# Altium PCB ROBOT_PCB_test.PcbDoc (part 2 of 2)
Units mm, origin at the board's own origin, x right, y up, seen from the top; angles counter-clockwise.
Board outline 200 x 120 mm, 4 copper layers (Top Layer, POWER, GND, Bottom Layer), stack 2.008 mm thick; 282 components, 219 nets, 963 pads, 9 vias.
Unrouted connection lines stored in the file: 507.
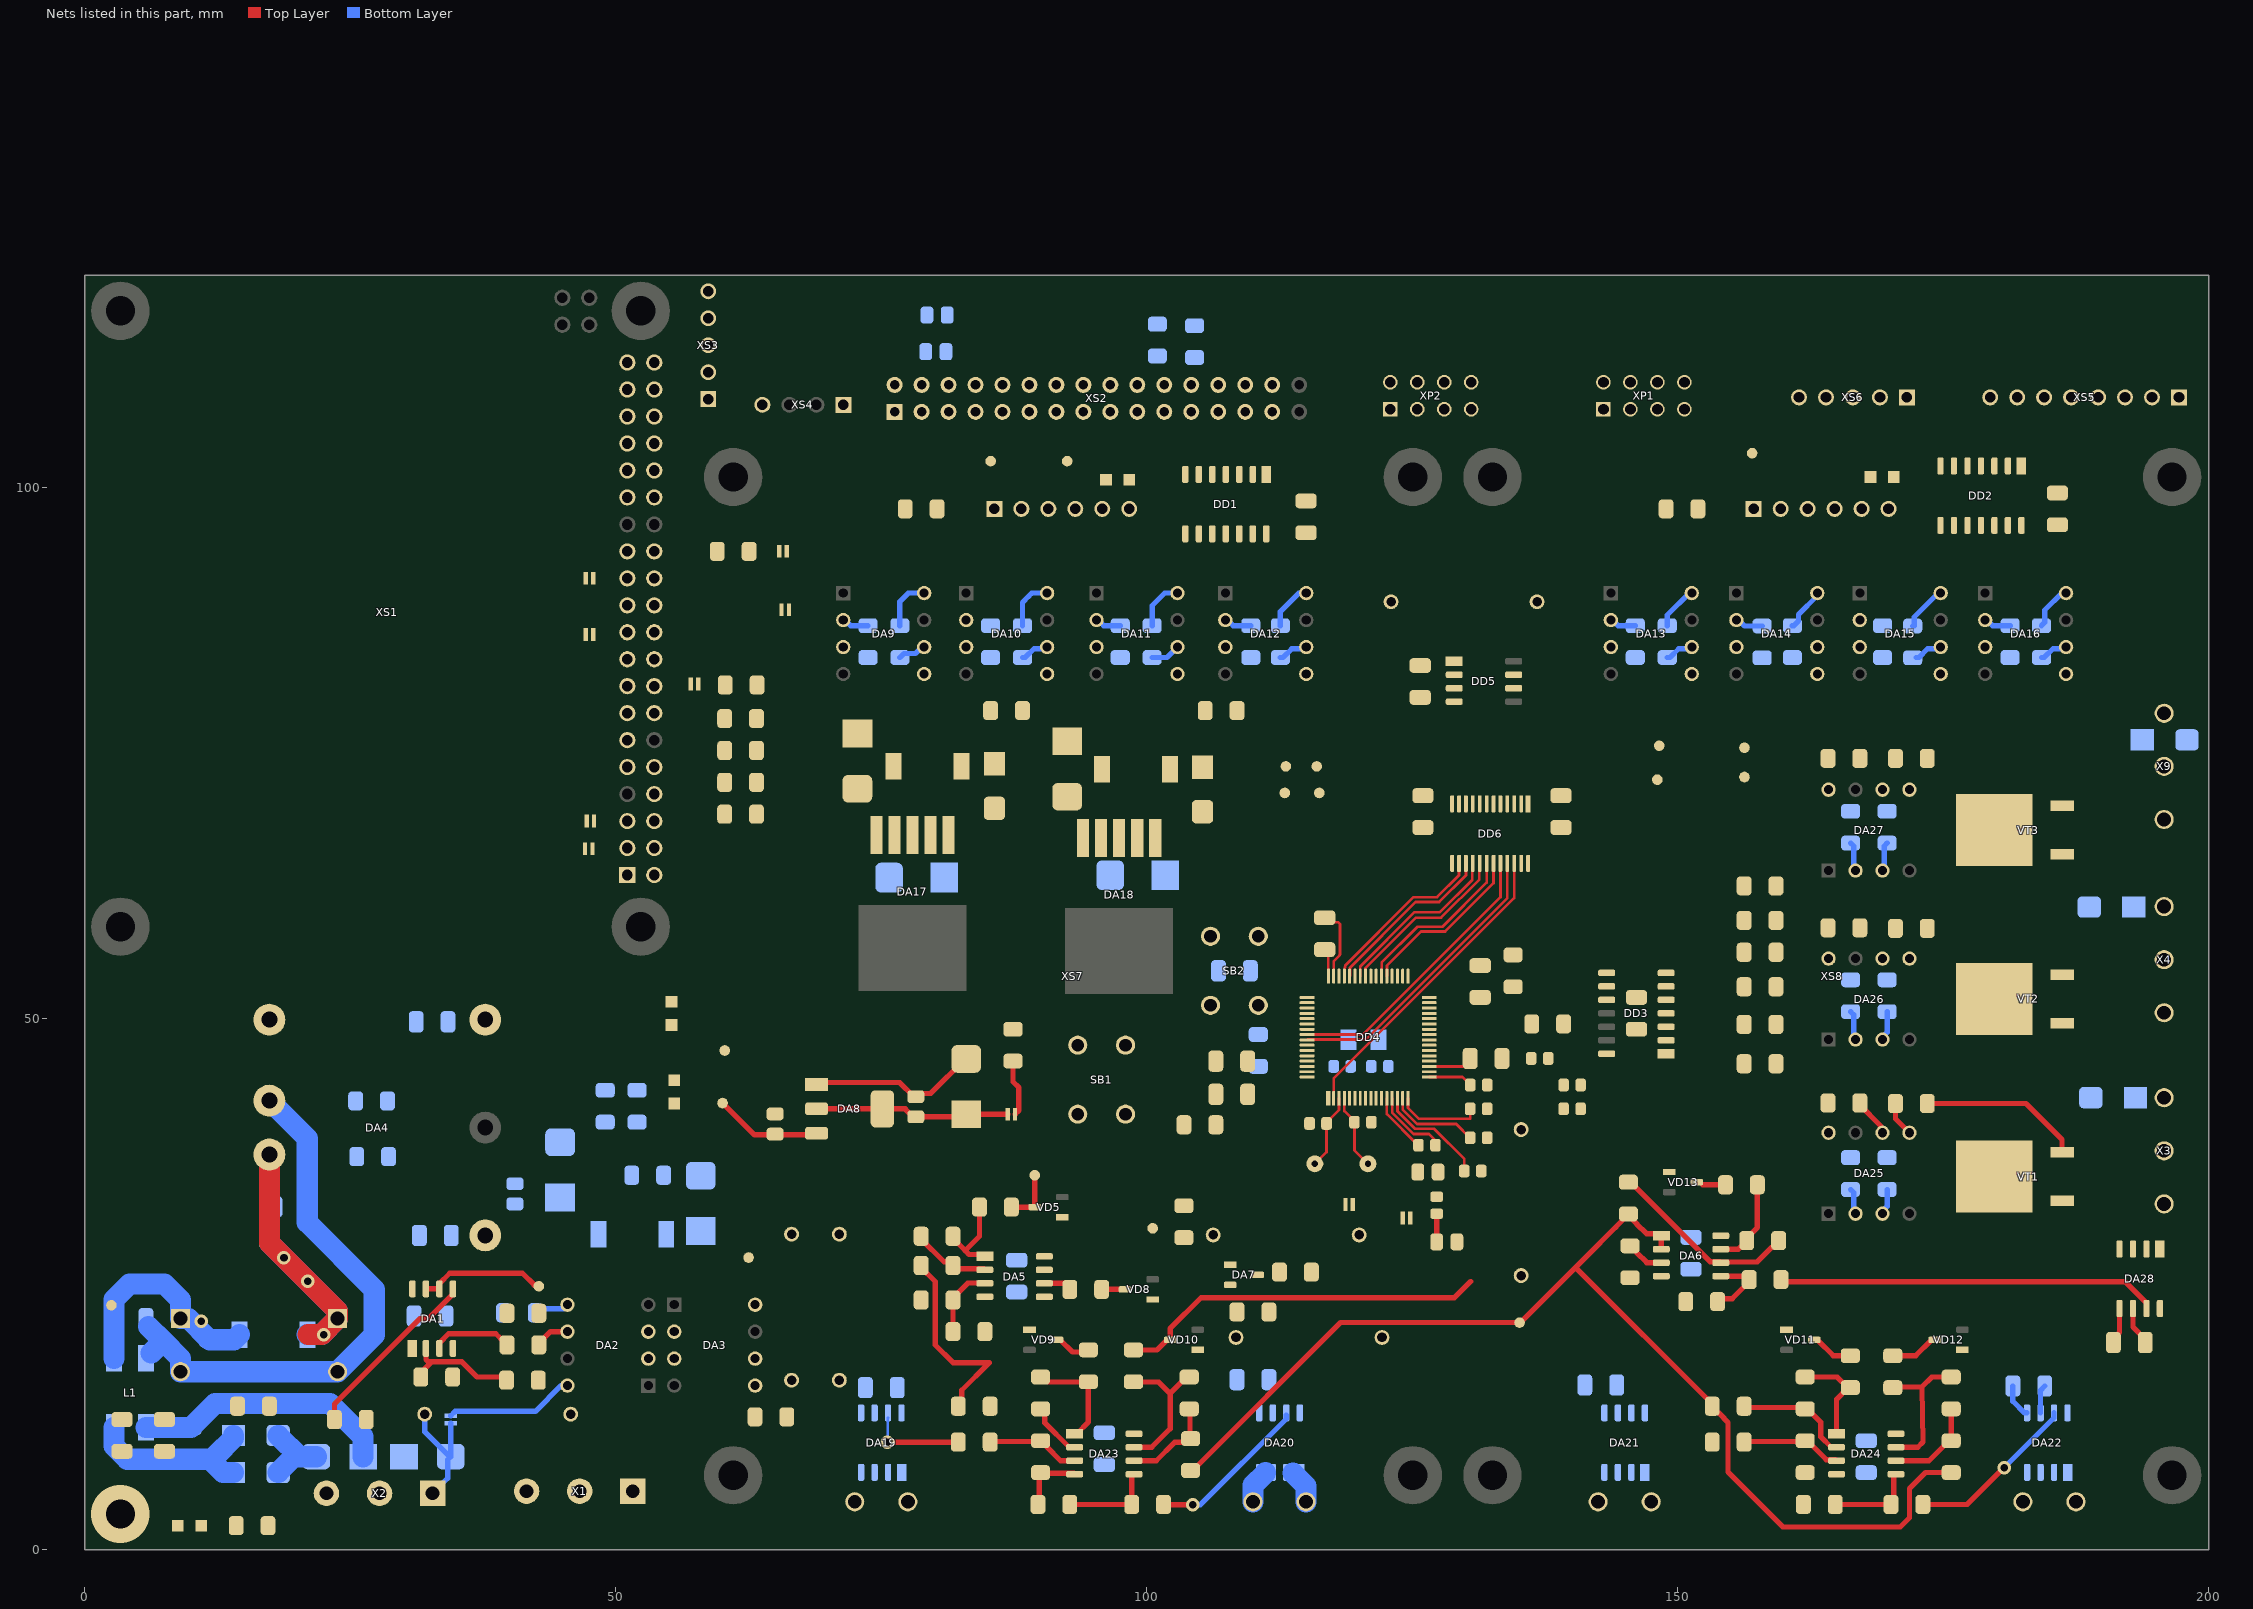
[diagram p4: the nets of this part, all layers, seen from the top]

## Part data
BQ1: library part HC-49S_8MHZ, Manufacturer=Китай, Part Number=8.000MHzHC-49US, Article=297062262, Price=38, Type="Резонатор кварцевый"
BQ2: library part 32768hz, "Кварцевый резонатор", Manufacturer=Китай, Article=9000372611, Part Number=32768hz, Price=98, Type="Резонатор кварцевый"
C1 C3: library part C1206C334K1RECAUTO7210, "Конденсатор 0,33 мкФ 100 В", Manufacturer=Kemet, Voltage="100 В", Article=8005311007, Part Number=C1206C334K1RECAUTO7210, Price=88, Type=Конденсатор
C2 C4 C13 C14: library part TCC1206X7R222J102DT, "Конденсатор 2200 пФ 1000 В", Manufacturer=CCTC, Voltage="1000 В", Article=9001208170, Part Number=TCC1206X7R222J102DT, Price=2, Type=Конденсатор
C5 C8: library part JRB2A101M05001000200000B, "Конденсатор электролитический алюминиевый", Manufacturer="JB Capactiors", Article=9000565887, Part Number=JRB2A101M05001000200000B, Price=24, Type=Конденсатор
C6 C7 C9 C16 C18 C30 C31 C32 C38 C39 C40 C41 C44 C45 C48 C55 C56 C58: library part "0.1 мкФ Х7R 100В 10% 1206", "Конденсатор 0,1 мкФ 100 В", Manufacturer=Китай, Voltage="1 кВ", Part Number="0.1 мкФ Х7R 100В 10% 1206", Price=6, Type=Конденсатор
C10 C11: library part GRM31BR73A102K, "Конденсатор 1000пФ", Manufacturer=Murata, Voltage="1 кВ", Article=961638233, Part Number=GRM31BR73A102K, Price=24, Type=Конденсатор
C12 C19 C21 C25 C26: library part "1 мкФ X7R 16В 10% 0805", "Конденсатор 1 мкФ 16 В", Manufacturer=Китай, Voltage="16 В", Article=768017701, Part Number="1 мкФ X7R 16В 10% 0805", Price=9, Type=Конденсатор
C15 C17 C28 C29: library part TECAP100/10VC, "Конденсатор танталовый 100 мкФ", Manufacturer=TECAP, Part Number="TECAP100/10VC, 10%", Article=9000629231, Price=39, Type=Конденсатор
C20 C27 C37 C49 C50 C51 C52 C54: library part "0.01 мкФ  X7R 50В 10% 0603", "Конденсатор 0,01 мкФ 50 В", Manufacturer=Murata, Voltage="50 В", Article=238964796, Part Number="0.01 мкФ  X7R 50В 10% 0603", Price=7, Type=Конденсатор
C22: library part "TECAP100/10VC, 10%", "Конденсатор танталовый 100 мкФ", Manufacturer=TECAP, Part Number="TECAP100/10VC, 10%", Price=39, Type=Конденсатор
C23 C24: library part TECAP10/35VC, "Конденсатор танталовый 10 мкФ", Manufacturer=TECAP, Part Number="TECAP10/35VC, 10%", Voltage="35 В", Article=9000629228, Price=46, Type=Конденсатор
C33 C34 C35 C36 C57: library part "1000пФ X7R 50В 10% 1206", "Конденсатор 1000пФ 50 В", Manufacturer=Китай, Voltage="50 В", Article=9000028006, Part Number="1000пФ X7R 50В 10% 1206", Price=9, Type=Конденсатор
C42 C43: library part GRM1885C1H220JA01D, "Конденсатор", Dielectric Type=NP0, Manufacturer=Murata, Tolerance=±5%, Voltage=50В, Working Temperature Max=+125°С, Working Temperature Min=-55°С, Application Category=1, ID=122, Part Number=GRM1885C1H220JA01D, Partnumber=GRM1885C1H220JA01D, Type=Конденсатор
C46 C47: library part GRM1885C1H120JA01D, "Конденсатор", Dielectric Type=NP0, Manufacturer=Murata, Tolerance=±5%, Voltage=50В, Working Temperature Max=+125°С, Working Temperature Min=-55°С, Application Category=1, ID=121, Part Number=GRM1885C1H120JA01D, Partnumber=GRM1885C1H120JA01D, Type=Конденсатор
C53: library part C3216X7R1E475KT000N, "Конденсатор 4,7 мкФ 25 В", Manufacturer=TDK, Voltage="25 В", Article=8017208948, Part Number=C3216X7R1E475KT000N, Price=22, Type=Конденсатор
DA1: "Операционный усилитель", Manufacturer=UMW, Package=SOP-8, Article=9001105975, Part Number=LM358ADR, Price=9, Type=Микросхема
DA2 DA3 DA9 DA10 DA11 DA12 DA13 DA14 DA15 DA16 DA25 DA26 DA27: "Оптопара транзисторная", Manufacturer=UMW, Package=dip-8, Article=9001106156, Part Number=6N136, Price=36, Type=Микросхема
DA4: library part "DC-DC URB2405LD-20WR3", "DC/DC преобразователь", Manufacturer=URB2405LD-20WR3, Part Number=Mornsun, Price=900, Type="Модуль питания"
DA5 DA6 DA23 DA24: library part LMV358IDR, Supply Current=210uA, Application Category=1, Bandwidth=1MHz, ID=45, Part Number=LMV358IDR, Rail-to-Rail=+\+, Slew Rate=1V/µs, Supply Operation=+2.7…5.5V, Type=Микросхема
DA7: library part TL431IDBZR.215, "Источник опорного напряжения", Input Voltage=36V, Manufacturer=Nexperia, Output Current=100mA, Reference current=10mA, Reference voltage=2495mV, Tolerance=2.0%, Total Power Dissipation=580mW, Working Temperature Max=+85°С, Working Temperature Min=-40°С, Application Category=1, Article 1C=0984668, Functional Analog=AS431H, ID=1, Part Number=TL431IDBZR.215, Type=Микросхема
DA8: library part AMS1117-3.3, "Стабилизатор напряжения", Manufacturer=UMW, Max Current=0.8A, Package=SOT-223, Article=9001169164, Part Number=AMS1117-3.3, Price=9, Type=Микросхема
DA17 DA18: "Импульсный стабилизатор напряжения", Manufacturer=UMW, Package=TO-263-5, Article=9001169284, Part Number=LM2576S-5.0, Price=84, Type=Микросхема
DA19 DA20 DA21 DA22 DA28: "Датчик тока", Manufacturer="Allegro Systems", Package=SOIC-8, Article=8010447146, Part Number=ACS712ELCTR-05B-T, Price=220
DD1 DD2 DD3: library part SN74HC00D, "SNx4HC00 Quadruple 2-Input NAND Gates", High-level output current=-20mA, Input Voltage (max)=5.9V, Low-level output current=20mA, Manufacturer="Texas Instruments", Output Voltage (max)=Vcc, Power dissipation (max)=-, Supply Current=20uA, Working Temperature Max=+85°C, Working Temperature Min=-40°C, Application Category=1, Article 1C=0988355, Channels=4, Function=NAND, ID=18, Part Number=SN74HC00D, Polarity=Inverting, Response Time=400nS, Supply Operation=+2…6V, Type=Микросхема
DD4: library part STM32F303RBT6, "STM32F303RBT6", Manufacturer=STMicroelectronics, Operating temperature="-40°C to 85°C", Operation frequency=72MHz, Voltage range="1.7 V to 3.6 V", ADC=4, Article=9001089793, Clock management="4 to 32 MHz crystal oscillator", Core=Cortex®-M4, DAC=2, Flash=128KB, I/O Lines=87, Part Number=STM32F303RBT6, Price=410, Timers=13, Type=Микроконтроллер
DD5: "Высокоскоростной CAN-Трансивер, 1Мб/с, 12В/24В, до 112 узлов", Manufacturer=Microchip, Package=SO-8, Part Number=MCP2551T-I/SN, Article=9000071123, Price=160, Type=Микросхема
DD6: "Преобразователь уровней 5В-3,3В", Manufacturer=Nexperia, Package=TSSOP-24, Article=9000002267, Part Number=74LVC4245APW,118, Price=140, Type=Микросхема
E1 E2 E3 E4 E5 E6 E7 E8 E9 E10 E11: library part E, "Перемычка", Type=Перемычка
HL1: Color=Red, Forward Current=30mA, Forward Voltage=2.5V, Manufacturer=Kingbright, Power Dissipation=75mW, Working Temperature Max=+85°С, Working Temperature Min=-40°С, Application Category=1, Article 1C=-, ID=23, Leds=1, Luminous Flux=150, Part Number=KP-2012SURCK, Type="Индикатор единичный"
HL2: Color=Green, Forward Current=25mA, Forward Voltage=2.5V, Manufacturer=Kingbright, Power Dissipation=62.5mW, Working Temperature Max=+85°С, Working Temperature Min=-40°С, Application Category=1, Article 1C=062604, ID=21, Leds=1, Part Number=KP-2012SGC, Type="Индикатор единичный"
HL3 HL4 HL5: Color=Yellow, Forward Current=30mA, Forward Voltage=2.5V, Manufacturer=Kingbright, Power Dissipation=75mW, Working Temperature Max=+85°С, Working Temperature Min=-40°С, Application Category=1, Article 1C=0961238, ID=22, Leds=1, Luminous Flux=150, Part Number=KP-2012SYCK, Type="Индикатор единичный"
K1 K2 K3 K4 K5 K6 K7 K8 K9 K10 K11 K12 K13 K14 K15 K16 K17 K18 K19: library part КТ, "Контрольная точка", Type="Неразборное соединение"
L1: library part ACM7060-701-2PL-TL01, Manufacturer=TDK, Article=9000322175, Part Number=ACM7060-701-2PL-TL01, Price=340, Type=Дроссель
L2 L3 L5 L6: library part B82472G6472M000, "Дроссель", Manufacturer=Epcos, Max Current="2.5 A", Article=9000504715, Part Number=B82472G6472M000, Type=Дроссель
L4: library part BLM18HG102SN1D, "Дроссель", Manufacturer=Murata, Max Current="0,1 А", Package=0603, Article=218909268, Part Number=BLM18HG102SN1D, Type=Дроссель
R1 R11 R12 R20 R22 R57 R59 R68 R80 R81 R82 R83 R84 R85 R87 R88 R89: library part "0.25Вт 1206 100 кОм, 1%", "Резистор", Manufacturer=Тайвань, Package=1206, Article=9000079697, Part Number="0.25Вт 1206 100 кОм, 1%", Price=6, Type=Резистор
R2: library part "С2-29В-0,125-20 кОм ± 0,05 %-1.0-А", "Резистор", Part Number="С2-29В-0,125-20 кОм ± 0,05 %-1.0-А", Type=Резистор
R3 R5 R15 R21: library part RC1206JR-070RL, "Резистор", Limit Voltage=200В, Manufacturer=Yageo, Temperature Coefficient=100ppm, Tolerance=±5%, Total Power Dissipation=0.25W, Working Temperature Max=+155°С, Working Temperature Min=-55°С, Application Category=1, ID=167, Part Number=RC1206JR-070RL, Series Type=Thick-Film, Type=Резистор
R4: library part "0.25Вт 1206 30 кОм, 1%", "Резистор", Manufacturer=Тайвань, Package=1206, Article=9000079684, Part Number="0.25Вт 1206 30 кОм, 1%", Price=6, Type=Резистор
R6 R7 R8 R9 R30 R31 R32 R33 R34 R35 R36 R37 R38 R39 R40 R41 R90 R91 R92 R99 R101 R103: library part "0.25Вт 1206 1 кОм, 1%", "Резистор", Manufacturer=Тайвань, Package=1206, Article=9000079635, Part Number="0.25Вт 1206 1 кОм, 1%", Price=6, Type=Резистор
R10 R24 R56 R76 R77 R78 R79 R86: library part "0.25Вт 1206 2 кОм, 5%", "Резистор", Manufacturer=Тайвань, Package=1206, Article=984099856, Part Number="0.25Вт 1206 2 кОм, 5%", Price=6, Type=Резистор
R13 R14 R95 R96: library part RC1206JR-07150RL, "Резистор", Limit Voltage=200В, Manufacturer=Yageo, Temperature Coefficient=100ppm, Tolerance=±5%, Total Power Dissipation=0.25W, Working Temperature Max=+155°С, Working Temperature Min=-55°С, Application Category=1, ID=182, Part Number=RC1206JR-07150RL, Series Type=Thick-Film, Type=Резистор
R16: library part "С2-29В-0,125-8,25 кОм ± 0,05 %-1.0-А", "Резистор", Part Number="С2-29В-0,125-8,25 кОм ± 0,05 %-1.0-А", Type=Резистор
R17: library part "С2-29В-0,125-9,09 кОм ± 0,05 %-1.0-А", "Резистор", Part Number="С2-29В-0,125-9,09 кОм ± 0,05 %-1.0-А", Type=Резистор
R18 R19 R27 R28 R42 R43 R44 R45 R46 R47 R48 R49 R50 R51 R53 R54 R55 R58 R60 R61 R62 R63 R64 R65 R66 R67 R69 R70 R71 R72 R73 R74 R75 R93 R94 R97 R98 R100 R102 R104: library part "0.25Вт 1206 10 кОм, 1%", "Резистор", Manufacturer=Тайвань, Package=1206, Article=9000079659, Part Number="0.25Вт 1206 10 кОм, 1%", Price=6, Type=Резистор
R23: library part "Р1-12-0,25-200 Ом ± 5 % - М", "Резистор", Limit Voltage=200В, Manufacturer="ОАО \"Ресурс\"", Temperature Coefficient=250ppm, Tolerance=±5%, Total Power Dissipation=0,25W, Working Temperature Max=+85°С, Working Temperature Min=-60°С, Application Category=5, Article 1C=000495, ID=135, Part Number="Р1-12-0,25-200 Ом ± 5 % - М", Specification=ШКАБ.434110.002ТУ, Type=Резистор
R25: library part "С2-29В-0,125-100 кОм ± 0,05 %-1.0-А", "Резистор", Part Number="С2-29В-0,125-100 кОм ± 0,05 %-1.0-А", Type=Резистор
R26: library part "Р1-12-0,25-2,2 кОм ± 5 % - М", "Резистор", Limit Voltage=200В, Manufacturer="ОАО \"Ресурс\"", Temperature Coefficient=250ppm, Tolerance=±5%, Total Power Dissipation=0,25W, Working Temperature Max=+85°С, Working Temperature Min=-60°С, Application Category=5, Article 1C=-, ID=156, Part Number="Р1-12-0,25-2,2 кОм ± 5 % - М", Specification=ШКАБ.434110.002ТУ, Type=Резистор
R29: library part "С2-29В-0,125-715 Ом ± 0,05 %-1.0-А", "Резистор", Part Number="С2-29В-0,125-715 Ом ± 0,05 %-1.0-А", Type=Резистор
R52: library part "С2-29В-0,125-23 кОм ± 0,05 %-1.0-А", "Резистор", Part Number="С2-29В-0,125-23 кОм ± 0,05 %-1.0-А", Type=Резистор
R105: library part "С2-29В-0,125-120 Ом ± 0,05 %-1.0-А_1", "Резистор", Part Number="С2-29В-0,125-120 Ом ± 0,05 %-1.0-А", Type=Резистор
R106 R107: library part "0805 4.7кОм ±5% 0.125Вт", "Резистор", Manufacturer=Тайвань, Package=0805, Article=8026382694, Part Number="0805 4.7кОм ±5% 0.125Вт", Price=3, Type=Резистор
SB1 SB2: library part KLS7-TS6601-7.0-180, Manufacturer=KLS, Article=9000336827, Part Number=KLS7-TS6601-7.0-180, Price=9, Type=Переключатель
VD1 VD4: "Ограничитель напряжения", Manufacturer=Sunmate, Package=DO214AA/SMB, Article=9001052836, Part Number=SM6T36CA, Price=9, Type="Ограничитель напряжения"
VD2 VD3 VD6 VD7 VD14 VD15 VD16: library part B340A, "Диод Шоттки", Current="3 A", Manufacturer=Vishay, Package=SMA, Reverse Voltage="40 V", Article=9001002895, Part Number=B340A, Price=7, Type="Диод Шоттки"
VD5 VD8 VD9 VD10 VD11 VD12 VD13: library part BZX84-C3V3, Capacitance=450pF, Differential resistance=95ohm, Forward Current=200mA, Forward Voltage=0.9V, Manufacturer=NXP, Reverse Current=5uA, Total Power Dissipation=250mW, Working Temperature Max=+150°С, Working Temperature Min=-65°С, Working Voltage=3.3V, Application Category=1, Article 1C=088022, ID=10, Part Number=BZX84-C3V3, Type=Стабилитрон
VT1 VT2 VT3: "N-channel MOSFET", Manufacturer=UMW, Package=DPAK/TO-252, Article=9001169193, Part Number=IRFR024NTR, Price=28, Type=Транзистор
X1 X2 X5 X6 X7 X8: "Соединитель", Current="16 А", Manufacturer=KLS
  X1 X2: Part Number=KLS2-300-5.00-03P-2S, Price=35
  X5 X6 X7 X8: Article=9000329476, Part Number=KLS2-301R-5.00-02P-2S, Price=18
X3 X4 X9: "Соединитель", Current="16 А", Manufacturer=Ningbo, Article=53451, Part Number=XY301RA-5.0-3P-12, Price=41
XP1 XP2: "Вилка", Manufacturer=Connfly, Article=8841479946, Part Number=IDC-08MR, Price=15, Type=Вилка
XS1: "Розетка", Manufacturer=Connfly, Part Number=DS1023-2*20S21, Article=29417, Price=29, Type=Розетка
XS2: "Розетка", Manufacturer=Connfly, Part Number=DS1023-2*15S21, Article=26334, Price=34, Type=Розетка
XS3 XS6: "Розетка", Manufacturer=Connfly, Part Number=DS1023-1*5S21, Article=29527, Price=9, Type=Розетка
XS4: "Розетка", Manufacturer=Connfly, Part Number=DS1023-1*4S21, Article=12854, Price=9, Type=Вилка
XS5: "Розетка", Manufacturer=Connfly, Part Number=DS1023-1*8S21, Article=32562, Price=13, Type=Розетка
XS7 XS8: "Розетка", Manufacturer=Connfly, Part Number=DS1023-1*6S21, Article=63236, Price=13, Type=Розетка

## Via types
v1: diameter 1.27, hole 0.711, Top Layer to Bottom Layer, 8 vias
v2: diameter 5.5, hole 2.7, Top Layer to Bottom Layer, 1 vias

## Nets (pads, with @x,y where several pads share a name; then routed paths per layer and width w, separated by ;. In a path a pad name is that pad's centre, name@x,y a point inside that pad or via, vN(x,y) a via of type N, cw(c..) or ccw(c..) an arc to the next point about the centre after c; other vN are vias at no path point)
0V: C1.2 C6.2 C23.n C24.n C28.n C29.n C31.1 C32.1 DA1.4 DA2.3 DA9.5 DA10.5 DA11.5 DA12.5 DA13.5 DA14.5 DA15.5 DA16.5 DA17.3 DA17.5 DA18.3 DA18.5 DD1.7 DD2.7 HL3.c HL4.c HL5.c K18.1 L1.1 R3.1 R4.2 R11.2 R57.1 R59.1 VD1.2 VD4.2 VD6.A VD7.A X1.2 X2.2 XS7.6 XS8.6 | length 24.6
  Bottom Layer w2: L1.1@5.75,11.5 C1.2@10,11.5 12.25,13.75 23.081,13.75 26.2,10.631 VD1.2@26.2,8.75
0V_LOAD: R100.1 R102.1 R104.1 VT1.3 VT2.3 VT3.3 X3.2 X4.2 X9.2 | length 15.3
  Top Layer w0.5: R100.1@173.5,42 182.8,42 186.19,38.61 VT1.3@186.19,37.41
1V_REF: DA6.3 R52.1 R53.2 | length 3.7
  Top Layer w0.5: R53.2@145.5,28.6 145.619,28.6 146.107,28.111 146.107,27.993 147.085,27.015 DA6.3@148.45,27.015
3V3: C38.2 C39.2 C44.2 C45.2 C48.2 C53.1 C58.2 DD3.14 DD4.1 DD4.19 DD4.32 DD4.48 DD4.64 DD6.2 DD6.23 DD6.24 E10.2 E11.1 R31.1 R51.2 R54.1 R87.2 R88.2 R89.2 R90.2 R91.2 R92.2 R106.1 R107.1 SB1.2 XS2.3 XS2.11 XS2.30 XS3.1 XS6.1 | length 13.4
  Top Layer w0.254: C39.2@116.75,56.5 117.1,56.15 DD4.48@117.1,53.995 ; DD4.19@126.6,45.495 130.425,45.495 130.45,45.52 C45.2@130.45,46.25 C45.2@130.45,46.995
  Top Layer w0.5: R31.1@87.4,46 87.4,44.05 87.95,43.5 87.95,41.35 E11.1@87.6,41
3V3_PI: XS1.1 XS1.17 XS5.1
+V_DIODE1: VD16.C X3.3
+V_DIODE2: VD14.C X4.3
+V_DIODE3: VD15.C X9.3
ADC_EXT_SIGNAL: C37.1 DD4.23 R56.2 VD8.3 | length 2.2
  Top Layer w0.5: R56.2@95.75,24.5 VD8.3@97.95,24.5
ADC_TEST: DD4.21 R50.1 R51.1
AGND: C16.1 C17.n C18.1 C20.2 C21.2 C25.2 C27.2 C33.1 C34.1 C35.1 C36.1 C37.2 C40.1 C41.1 C49.2 C50.2 C51.2 C52.2 C54.2 C57.1 DA5.4 DA6.4 DA7.3 DA19.5 DA20.5 DA21.5 DA22.5 DA23.4 DA24.4 DA28.5 DD4.12 R15.2 R20.1 R21.2 R25.1 R27.1 R53.1 R67.2 R69.2 R70.2 R71.2 R94.2 VD5.1 VD8.1 VD9.1 VD10.1 VD11.1 VD12.1 VD13.1 XS2.13 | length 18.9
  Top Layer w0.254: DD4.12@122.6,42.495 122.6,41.007 125.469,38.138 C27.2@125.638,38.138
  Top Layer w0.5: R70.2@89.75,4.25 89.875,4.375 89.875,7.125 R69.2@90,7.25 90.078,7.172 93.123,7.172 DA23.4@93.2,7.095 ; R27.1@111.5,22.375 R27.1@111.5,22.575 ; C57.1@191.025,19.5 191.025,19.881 191.595,20.451 DA28.5@191.595,22.7
  Bottom Layer w0.5: C36.1@181.56,15.401 181.56,13.965 182.65,12.875 DA22.5@182.895,12.875
BOOT: DD4.60 R55.2 SB1.1
CAN_H: DD5.7 R105.2 XS2.19
CAN_L: DD5.6 R105.1 XS2.20
CAN_RX: DD4.61 DD5.4
CAN_TX: DD4.62 DD5.1
CS1: DD4.33 R8.1
CS2: E8.2 R9.1 XS2.17
CTRL: DA4.1 X1.1
CURRENT_M1: C49.1 DD4.14 R76.2 VD9.3 | length 13.8
  Top Layer w0.254: DD4.14@123.6,42.495 123.613,42.482 123.613,41.278 125.262,39.629 127.054,39.629 129.9,36.783 C49.1@129.9,35.65
  Top Layer w0.5: VD9.3@91.838,19.75 91.85,19.75 93,18.6 R76.2@94.15,18.6 ; R76.2@94.15,18.975 R76.2@94.5,18.625
CURRENT_M2: C50.1 DD4.15 R77.2 VD10.3 | length 43
  Top Layer w0.254: DD4.15@124.1,42.495 124.1,41.433 125.45,40.083 129.142,40.083 C50.1@130.45,38.775
  Top Layer w0.5: R77.2@99.3,18.8 100.95,18.8 101.9,19.75 VD10.3@102.2,19.75 102.2,20.8 105.125,23.725 128.975,23.725 130.5,25.25
CURRENT_M3: C51.1 DD4.16 R78.2 VD11.3 | length 12.1
  Top Layer w0.254: DD4.16@124.6,42.495 124.6,41.575 125.6,40.575 130.45,40.575 C51.1@130.45,41.5
  Top Layer w0.5: VD11.3@162.85,19.75 163.15,19.75 164.65,18.25 R78.2@166.25,18.25
CURRENT_M4: C52.1 DD4.17 R79.2 VD12.3 | length 8.7
  Top Layer w0.254: DD4.17@126.6,44.495 129.738,44.495 130.45,43.783 C52.1@130.45,43.75
  Top Layer w0.5: R79.2@170.25,18.25 172.4,18.25 173.9,19.75 VD12.3@174.2,19.75
CURRENT_MOWER: C54.1 DD4.20 R86.2 VD13.3 | length 2.8
  Top Layer w0.5: VD13.3@151.8,34.6 152.1,34.6 152.35,34.35 R86.2@154.5,34.35
DIR1: DD1.8 XS7.2
DIR2: DD1.11 XS7.4
DIR3: DD2.8 XS8.2
DIR4: DD2.11 XS8.4
DRDY: XS1.36 XS6.5
EXT_TO_ADC: DA5.5 XS2.12
GND: C11.2 C12.2 C14.1 C15.n C19.2 C22.n C26.2 C30.1 C38.1 C39.1 C42.2 C43.2 C44.1 C45.1 C46.2 C47.2 C48.1 C53.2 C55.2 C56.2 C58.1 DA4.6 DA8.1 DA9.3 DA10.3 DA11.3 DA12.3 DA13.3 DA14.3 DA15.3 DA16.3 DD3.7 DD4.31 DD4.47 DD4.63 DD5.2 DD6.11 DD6.12 DD6.13 HL1.c HL2.c K5.1 R21.1 R50.2 R55.1 R68.1 R80.2 R81.2 R82.2 R83.2 R84.2 R85.2 SB2.1 XP1.2 XP1.6 XP2.2 XP2.6 XS1.6 XS1.9 XS1.14 XS1.20 XS1.25 XS1.30 XS1.34 XS1.39 XS2.2 XS2.4 XS2.18 XS3.2 XS4.4 XS5.2 XS6.2 | length 23
  Top Layer w0.254: C39.1@116.75,59.5 117.185,59.065 118.033,59.065 118.197,58.901 118.197,56.039 118.146,55.988 118.146,55.939 117.6,55.393 DD4.47@117.6,53.995
  Top Layer w0.5: DA8.1@68.9,43.8 69.075,43.975 76.725,43.975 78.05,42.65 C26.2@78.25,42.65 78.55,42.95 79.65,42.95 82.9,46.2 C22.n@83,46.2
HALL_A1: DD4.41 DD6.17 | length 16.4
  Top Layer w0.254: DD4.41@120.6,53.995 120.6,54.756 125.344,59.5 127.717,59.5 131.317,63.1 131.317,64.562 DD6.17@131.302,64.577
HALL_A2: DD4.44 DD6.15 | length 17.1
  Top Layer w0.254: DD4.44@119.1,53.995 119.133,54.028 119.133,54.789 125.319,60.975 127.527,60.975 130.05,63.498 DD6.15@130.05,64.625 DD6.15@130.05,65.25
HALL_A3: DD4.37 DD6.19 | length 16.1
  Top Layer w0.254: DD4.37@122.6,53.995 122.613,54.008 122.613,54.987 125.822,58.196 128.096,58.196 132.65,62.75 DD6.19@132.65,64.625
HALL_A4: DD4.56 DD6.20 | length 26.8
  Top Layer w0.254: DD4.56@115.087,48.508 DD4.56@115.1,48.495 120.361,48.495 133.3,61.434 DD6.20@133.3,64.625
HALL_A_M1: DD6.7 XP1.3
HALL_A_M2: DD6.9 XP1.7
HALL_A_M3: DD6.5 XP2.3
HALL_A_M4: DD6.4 XP2.7
HALL_B1: DD4.42 DD6.16 | length 16.3
  Top Layer w0.254: DD4.42@120.1,53.995 120.1,54.898 125.227,60.025 127.6,60.025 130.652,63.077 DD6.16@130.652,64.577
HALL_B2: DD4.45 DD6.14 | length 17
  Top Layer w0.254: DD4.45@118.6,53.995 118.613,54.008 118.633,54.008 118.633,54.789 118.679,54.835 118.679,54.977 125.135,61.434 127.336,61.434 129.4,63.498 DD6.14@129.4,64.625 DD6.14@129.4,65.25
HALL_B3: DD4.38 DD6.18 | length 16.1
  Top Layer w0.254: DD4.38@122.1,53.995 122.113,54.008 122.113,55.263 125.5,58.65 127.825,58.65 132,62.825 DD6.18@132,64.625
HALL_B4: DD4.57 DD6.21 | length 27.7
  Top Layer w0.254: DD4.57@115.1,47.995 115.133,48.028 120.628,48.028 133.95,61.35 DD6.21@133.95,64.625
HALL_B_M1: DD6.8 XP1.4
HALL_B_M2: DD6.10 XP1.8
HALL_B_M3: DD6.6 XP2.4
HALL_B_M4: DD6.3 XP2.8
I2C_SCL: DD4.58 E4.2 R106.2 XS2.6 XS6.3
I2C_SDA: DD4.59 E3.2 R107.2 XS2.5 XS6.4
INT1: XS1.29 XS5.7
INT2: XS1.31 XS5.8
M1_N: DA19.3 DA19.4 X5.1
M1_P: DA19.1 DA19.2 X5.2
M2_N: DA20.3 DA20.4 X6.1 | length 3.2
  Bottom Layer w2: X6.1@110,4.5 110,6.05 111.175,7.225
M2_P: DA20.1 DA20.2 X6.2 | length 3.2
  Bottom Layer w2: 113.775,7.2 115,5.975 X6.2@115,4.5
M3_N: DA21.3 DA21.4 X7.1
M3_P: DA21.1 DA21.2 X7.2
M4_N: DA22.3 DA22.4 X8.1
M4_P: DA22.1 DA22.2 X8.2
MCU_DIR1: DD4.8 K12.1 R36.1
MCU_DIR2: DD4.9 K13.1 R37.2
MCU_DIR3: DD4.10 K14.1 R40.1
MCU_DIR4: DD4.11 K15.1 R41.2
MCU_PWM1: DD4.50 K8.1 R34.1
MCU_PWM2: DD4.55 K9.1 R35.1
MCU_PWM3: DD4.29 K10.1 R38.1
MCU_PWM4: DD4.30 K11.1 R39.1
MOWER1_M: DA28.1 DA28.2 VD16.A X3.1
MOWER2_M: VD14.A VT2.2 X4.1
MOWER3_M: VD15.A VT3.2 X9.1
NetBQ1_1: BQ1.1 C43.1 DD4.4 | length 7.1
  Top Layer w0.254: DD4.4@118.6,42.495 118.6,41.3 119.55,40.35 C43.1@119.55,40.25 119.55,37.6 BQ1.1@120.825,36.325
NetBQ1_3: BQ1.3 C42.1 DD4.3 | length 7.1
  Top Layer w0.254: BQ1.3@115.825,36.325 116.925,37.425 C42.1@116.925,40.127 116.925,40.227 118.1,41.402 DD4.3@118.1,42.495
NetBQ2_1: BQ2.1 C47.1 DD4.6
NetBQ2_2: BQ2.2 C46.1 DD4.5
NetC2_1: C2.1 C3.1 C5.p C7.1 L1.3 L2.1 | length 21.4
  Bottom Layer w2: L1.3@2.75,18 C3.1@2.75,21.75 2.75,23.55 4.2,25 7.5,25 9,23.5 C5.p@9,21.75 9.75,21.75 C7.1@11.75,19.75 14.05,19.75 L2.1@14.55,20.25
  other v1: 10.95,21.5
NetC3_2: C3.2 C4.1 C5.n C7.2 C8.n C9.2 C11.1 DA4.2 L1.4 | length 52.9
  Bottom Layer w2: C3.2@6,21 7.375,19.625 ; L1.4@6.25,18.5 7.375,19.625 ; DA4.2@17.38,42.28 20.95,38.71 20.95,33.5 20.95,30.8 27.25,24.5 27.25,20.2 C8.n@23.8,16.75 C7.2@11.75,16.75 C5.n@9,16.75 9,18 7.375,19.625
NetC8_p: C8.p C9.1 C10.1 DA4.3 L2.2 | length 43.1
  Top Layer w2: DA4.3@17.38,37.2 17.38,28.87 v1(21,25.25) 23.8,22.45 C8.p@23.8,21.75 22.3,20.25 21,20.25
  Bottom Layer w2: DA4.3@17.38,37.2 17.38,33.5 17.38,28.87 v1(18.75,27.5) v1(21,25.25) 23.8,22.45 C8.p@23.8,21.75 22.3,20.25 L2.2@20.95,20.25
  other v1: 22.5,20.25
NetC21_1: C21.1 E9.2 E10.1 L4.1 | length 2.7
  Top Layer w0.5: C21.1@127.3,28.975 L4.1@127.3,31.625
NetC22_p: C22.p C26.1 DA8.2 E11.2 | length 18.4
  Top Layer w0.5: DA8.2@68.9,41.5 DA8.2@75.1,41.5 77.246,41.5 77.996,40.75 C26.1@78.25,40.75 82.75,40.75 C22.p@83,41 E11.2@86.9,41
NetC33_2: C33.2 DA19.6
NetC34_2: C34.2 DA20.6
NetC35_2: C35.2 DA21.6
NetC36_2: C36.2 DA22.6 | length 2.7
  Bottom Layer w0.5: DA22.6@184.165,12.875 184.153,12.887 184.153,14.993 C36.2@184.56,15.401
NetC57_2: C57.2 DA28.6 | length 3.7
  Top Layer w0.5: DA28.6@192.865,22.7 192.865,20.96 194.025,19.8 C57.2@194.025,19.5
NetDA1_1: DA1.1 R10.1
NetDA1_2: DA1.2 R1.1 R4.1 | length 11.3
  Top Layer w0.5: R4.1@31.635,16.25 31.635,16.66 32.65,17.675 ; DA1.2@32.115,18.95 32.115,17.915 32.355,17.675 32.503,17.675 32.65,17.675 ; R1.1@39.75,16.5 39.5,16.25 36.936,16.25 35.511,17.675 32.65,17.675
NetDA1_3: DA1.3 R2.2 R5.1 | length 7.7
  Top Layer w0.5: DA1.3@33.385,18.95 33.385,19.45 34.26,20.325 38.695,20.325 39.162,19.858 39.308,19.858 39.75,19.416 R5.1@39.75,19.27
NetDA1_5: DA1.5 R11.1 R12.2 | length 17.4
  Top Layer w0.5: R11.1@23.5,12.25 23.5,13.7 31.55,21.75 32.355,21.75 34.655,24.05 DA1.5@34.655,24.55
NetDA1_6: DA1.6 DA1.7 K1.1 | length 12
  Top Layer w0.5: DA1.7@32.115,24.55 DA1.6@33.385,24.55 33.385,25.05 34.36,26.025 41.2,26.025 42.329,24.896 42.654,24.896 K1.1@42.75,24.8
NetDA2_2: DA2.2 DA3.3
NetDA2_5: DA2.5 R3.2 | length 3.3
  Bottom Layer w0.5: R3.2@42.425,22.45 42.65,22.675 45.055,22.675 DA2.5@45.44,23.06
NetDA2_6: DA2.6 R5.2 | length 3.3
  Top Layer w0.5: R5.2@42.75,19.27 42.75,19.416 43.854,20.52 DA2.6@45.44,20.52
NetDA2_8: DA2.8 E1.1 | length 12.2
  Bottom Layer w0.5: E1.1@34.45,12.6 34.868,13.018 42.418,13.018 44.84,15.44 DA2.8@45.44,15.44
NetDA3_2: DA3.2 R10.2
NetDA3_5: DA3.5 R15.1
NetDA3_6: DA3.6 R16.1 R17.1 R18.1
NetDA5_1: DA5.1 R22.1 R24.1 | length 8.6
  Top Layer w0.5: R22.1@81.75,29.5 81.75,29.3 82.9,28.15 ; R24.1@84.25,32.25 84.25,29.5 82.9,28.15 ; DA5.1@84.75,27.61 84.579,27.781 83.269,27.781 82.9,28.15
NetDA5_2: DA5.2 R19.2 R22.2 | length 7.5
  Top Layer w0.5: R22.2@78.75,29.5 78.75,29.25 80.9,27.1 81.4,27.1 R19.2@81.75,26.75 82.06,26.44 84.65,26.44 DA5.2@84.75,26.34
NetDA5_3: DA5.3 R18.2 R20.2 | length 6.8
  Top Layer w0.5: R20.2@81.75,20.52 R18.2@81.75,23.5 81.75,23.7 83.15,25.1 84.72,25.1 DA5.3@84.75,25.07
NetDA5_6: DA5.6 DA5.7 R56.1 | length 2.7
  Top Layer w0.5: DA5.6@90.35,25.07 92.261,25.07 92.75,24.581 R56.1@92.75,24.5
NetDA6_5: DA6.5 R94.1 R98.2 | length 6.1
  Top Layer w0.5: R94.1@153.75,23.35 154.031,23.631 155.131,23.631 R98.2@156.3,24.8 ; DA6.5@154.05,25.745 156.725,25.745 R98.2@156.725,25.425
NetDA6_6: DA6.6 R93.1 R97.2 | length 18.2
  Top Layer w0.5: R97.2@145.35,34.6 145.55,34.6 153.035,27.115 153.95,27.115 DA6.6@154.05,27.015 ; DA6.6@154.05,27.075 157.475,27.075 158.893,28.493 159.011,28.493 159.5,28.981 R93.1@159.5,29.1
NetDA6_7: DA6.7 R86.1 R93.2 | length 8.5
  Top Layer w0.5: DA6.7@154.05,28.285 155.685,28.285 155.893,28.493 156.011,28.493 156.5,28.981 R93.2@156.5,29.1 156.5,29.344 157.5,30.344 R86.1@157.5,34.35
NetDA7_1: DA7.1 E9.1 K4.1 R23.2 R29.2 | length 1
  Top Layer w0.5: R29.2@106,29.375 R29.2@106.25,29.625 ; DA7.1@107.55,26.825 DA7.1@107.85,26.825 DA7.1@108.15,26.825
NetDA7_2: DA7.2 R25.2 R26.1 R27.2 | length 0.3
  Top Layer w0.5: R27.2@108.5,22.375 R27.2@108.5,22.656
NetDA9_2: DA9.2 R34.2 | length 2.6
  Bottom Layer w0.5: DA9.2@71.415,87.53 71.571,87.53 72.101,87 R34.2@73.75,87
NetDA9_6: DA9.6 DD1.1 DD1.2 R42.1 | length 2.7
  Bottom Layer w0.5: R42.1@76.75,84 77.138,84.388 78.204,84.388 78.805,84.99 DA9.6@79.035,84.99
NetDA10_2: DA10.2 R35.2
NetDA10_6: DA10.6 DD1.4 DD1.5 R43.1 | length 2.7
  Bottom Layer w0.5: R43.1@88.295,84 88.549,84 89.377,84.827 90.453,84.827 DA10.6@90.615,84.99
NetDA11_2: DA11.2 R36.2 | length 2.5
  Bottom Layer w0.5: DA11.2@95.265,87.53 95.421,87.53 95.951,87 R36.2@97.5,87
NetDA11_6: DA11.6 DD1.9 DD1.10 R44.1 | length 2.8
  Bottom Layer w0.5: R44.1@100.5,84 101.895,84 DA11.6@102.885,84.99
NetDA12_2: DA12.2 R37.1 | length 2.6
  Bottom Layer w0.5: DA12.2@107.395,87.53 107.615,87.53 108.145,87 R37.1@109.795,87
NetDA12_6: DA12.6 DD1.12 DD1.13 R45.1 | length 2.9
  Bottom Layer w0.5: R45.1@112.575,84 112.829,84 113.656,84.827 114.853,84.827 DA12.6@115.015,84.99
NetDA13_2: DA13.2 R38.2 | length 2.5
  Bottom Layer w0.5: DA13.2@143.7,87.53 143.856,87.53 144.386,87 R38.2@146,87
NetDA13_6: DA13.6 DD2.1 DD2.2 R46.1 | length 2.7
  Bottom Layer w0.5: R46.1@149.01,84 149.264,84 150.091,84.827 151.157,84.827 DA13.6@151.32,84.99
NetDA14_2: DA14.2 R39.2 | length 2.7
  Bottom Layer w0.5: DA14.2@155.52,87.53 155.745,87.53 156.3,86.975 R39.2@157.95,86.975
NetDA14_6: DA14.6 DD2.4 DD2.5 R47.1
NetDA15_2: DA15.2 R40.2
NetDA15_6: DA15.6 DD2.9 DD2.10 R48.1 | length 2.7
  Bottom Layer w0.5: R48.1@172.45,84 172.704,84 173.531,84.827 174.597,84.827 DA15.6@174.76,84.99
NetDA16_2: DA16.2 R41.1 | length 2.6
  Bottom Layer w0.5: DA16.2@178.95,87.53 179.12,87.53 179.65,87 R41.1@181.3,87
NetDA16_6: DA16.6 DD2.12 DD2.13 R49.1 | length 2.7
  Bottom Layer w0.5: R49.1@184.25,84 184.504,84 185.332,84.827 186.407,84.827 DA16.6@186.57,84.99
NetDA17_2: DA17.2 L5.1 VD6.C
NetDA18_2: DA18.2 L6.1 VD7.C
NetDA19_7: DA19.7 R61.1 | length 9
  Top Layer w0.5: v1(75.575,10.115) R61.1@82.25,10.115
  Bottom Layer w0.254: v1(75.575,10.115) 75.605,10.145 75.605,12.37 DA19.7@75.635,12.4
NetDA20_7: DA20.7 R63.1 | length 15.3
  Top Layer w0.5: R63.1@101.58,4.25 101.605,4.225 104.3,4.225 v1(104.325,4.2)
  Bottom Layer w0.5: v1(104.325,4.2) 105.025,4.2 113.129,12.304 DA20.7@113.129,12.679
NetDA21_7: DA21.7 R65.1
NetDA22_7: DA22.7 R58.1 | length 16.2
  Top Layer w0.5: R58.1@173.08,4.25 177.25,4.25 v1@180.735,7.735
  Bottom Layer w0.5: v1(180.745,7.725) 185.435,12.415 DA22.7@185.435,12.875
NetDA23_1: DA23.1 R72.2 R76.1 | length 10.2
  Top Layer w0.5: R72.2@90,16.25 90.244,16.25 90.719,15.775 94.5,15.775 94.5,12.005 93.4,10.905 DA23.1@93.2,10.905
NetDA23_2: DA23.2 R60.2 R72.1 | length 5.6
  Top Layer w0.254: R60.2@85.25,13.5 R60.2@85.5,13.25
  Top Layer w0.5: R72.1@90,13.25 90.385,12.865 90.385,11.95 92.7,9.635 DA23.2@93.2,9.635
NetDA23_3: DA23.3 R61.2 R69.1 | length 8.9
  Top Layer w0.5: R61.2@85.25,10.115 85.318,10.182 89.933,10.182 R69.1@90,10.25 90.119,10.25 90.607,9.761 90.607,9.643 91.885,8.365 DA23.3@93.2,8.365
NetDA23_5: DA23.5 R63.2 R70.1 | length 8.8
  Top Layer w0.5: R70.1@92.75,4.25 R63.2@98.58,4.25 98.58,6.995 98.68,7.095 DA23.5@98.8,7.095
NetDA23_6: DA23.6 R62.2 R73.1 | length 9
  Top Layer w0.254: R62.2@104.062,10.512 R62.2@104.125,10.45
  Top Layer w0.5: DA23.6@98.8,8.365 100.89,8.365 102.625,10.1 103.775,10.1 R62.2@104.125,10.45 ; R73.1@104,13.25 104.062,13.187 R62.2@104.062,10.512
NetDA23_7: DA23.7 R73.2 R77.1 | length 13.8
  Top Layer w0.254: R77.1@98.75,15.8 R77.1@98.829,15.8
  Top Layer w0.5: DA23.7@98.8,9.635 100.46,9.635 102.2,11.375 102.2,14.694 ; R77.1@98.829,15.8 99.379,15.8 99.354,15.775 101.119,15.775 102.2,14.694 ; R73.2@104,16.25 103.756,16.25 102.2,14.694
NetDA24_1: DA24.1 R74.2 R78.1 | length 9.5
  Top Layer w0.5: R74.2@162,16.25 165.006,16.25 166.006,15.25 R78.1@166.05,15.25 ; DA24.1@164.95,10.905 164.95,14.15 R78.1@166.05,15.25 ; R78.1@166.25,15.25 R78.1@166.05,15.25
NetDA24_2: DA24.2 R64.2 R74.1 | length 11.1
  Top Layer w0.5: R64.2@156.25,13.5 156.375,13.375 161.875,13.375 R74.1@162,13.25 162.2,13.25 163.475,11.975 163.475,10.61 164.45,9.635 DA24.2@164.95,9.635
NetDA24_3: DA24.3 R65.2 R71.1 | length 9.5
  Top Layer w0.5: R65.2@156.25,10.115 156.318,10.183 161.932,10.183 R71.1@162,10.25 162.2,10.25 163.985,8.465 164.85,8.465 DA24.3@164.95,8.365
NetDA24_5: DA24.5 R58.2 R67.1 | length 8.6
  Top Layer w0.5: R67.1@164.83,4.25 R58.2@170.08,4.25 170.325,4.495 170.325,6.95 170.18,7.095 DA24.5@170.55,7.095
NetDA24_6: DA24.6 R66.2 R75.1 | length 9
  Top Layer w0.5: DA24.6@170.55,8.365 173.665,8.365 175.55,10.25 R66.2@175.75,10.25 R75.1@175.75,13.25
NetDA24_7: DA24.7 R75.2 R79.1 | length 14.9
  Top Layer w0.5: R79.1@170.25,15.25 R79.1@170.369,15.25 ; DA24.7@170.55,9.635 172.6,9.635 173.095,10.13 172.995,15.3 172.98,15.3 ; R75.2@175.75,16.25 173.93,16.25 172.98,15.3 ; R79.1@170.369,15.25 170.794,14.825 170.814,15.221 R79.1@170.819,15.3 ; R79.1@170.369,15.25 170.494,15.25 R79.1@170.819,15.3 ; R79.1@170.819,15.3 172.98,15.3
NetDA25_2: DA25.2 R90.1 | length 2.5
  Bottom Layer w0.5: R90.1@166.28,33.91 166.577,33.613 166.577,31.793 DA25.2@166.74,31.63
NetDA25_3: DA25.3 DD3.3 R88.1 | length 2.5
  Bottom Layer w0.5: DA25.3@169.28,31.63 169.28,31.86 169.72,32.3 R88.1@169.72,33.91
NetDA25_5: DA25.5 R100.2 VT1.1 | length 3.3
  Top Layer w0.5: R100.2@170.5,42 170.5,40.57 DA25.5@171.82,39.25
NetDA25_6: DA25.6 R99.1 | length 3.7
  Top Layer w0.5: R99.1@167.15,42.05 167.15,41.85 169.117,39.883 169.117,39.413 DA25.6@169.28,39.25
NetDA26_2: DA26.2 R91.1 | length 2.8
  Bottom Layer w0.5: R91.1@166.28,50.65 166.577,50.353 166.577,48.193 DA26.2@166.74,48.03
NetDA26_3: DA26.3 DD3.6 R89.1 | length 2.8
  Bottom Layer w0.5: DA26.3@169.28,48.03 169.28,48.26 169.72,48.7 R89.1@169.72,50.65
NetDA26_5: DA26.5 R102.2 VT2.1
NetDA26_6: DA26.6 R101.1
NetDA27_2: DA27.2 R92.1 | length 2.8
  Bottom Layer w0.5: R92.1@166.28,66.53 166.577,66.233 166.577,64.103 DA27.2@166.74,63.94
NetDA27_3: DA27.3 DD3.8 R87.1 | length 2.8
  Bottom Layer w0.5: DA27.3@169.28,63.94 169.443,64.103 169.443,66.253 R87.1@169.72,66.53
NetDA27_5: DA27.5 R104.2 VT3.1
NetDA27_6: DA27.6 R103.1
NetDA28_3: DA28.3 DA28.4 VT1.2
NetDA28_7: DA28.7 R98.1 | length 35.8
  Top Layer w0.5: R98.1@159.725,25.425 159.925,25.225 192.11,25.225 194.135,23.2 DA28.7@194.135,22.7
NetE2_1: E2.1 XS1.24
NetE2_2: E2.2 R8.2
NetE3_1: E3.1 XS1.3
NetE4_1: E4.1 XS1.5
NetE5_1: E5.1 XS5.3
NetE6_1: E6.1 XS5.4
NetE7_1: E7.1 XS5.5
NetE8_1: E8.1 XS5.6
NetHL1_a: HL1.a R30.2
NetHL2_a: HL2.a R31.2
NetHL3_a: HL3.a R32.2
NetHL4_a: HL4.a R33.2
NetHL5_a: HL5.a R28.2
NetR6_2: R6.2 XS1.11
NetR7_2: R7.2 XS1.13
NetR9_2: R9.2 XS1.26
NetR13_1: R13.1 XS2.21
NetR14_1: R14.1 XS2.22
NetR26_2: R26.2 R29.1 | length 0.3
  Top Layer w0.5: R29.1@119.819,29.444 R29.1@120,29.625
O\E\: DD4.2 DD6.22 | length 29.2
  Top Layer w0.254: DD4.2@117.6,42.495 117.6,44.358 134.6,61.358 DD6.22@134.6,64.625
P1V: DA6.1 DA6.2 K3.1 R19.1 R60.1 R62.1 R64.1 R66.1 R97.1 | length 132.9
  Top Layer w0.5: R19.1@78.75,26.75 78.75,26.55 80.075,25.225 80.075,19.625 80.066,19.616 80.066,19.284 81.75,17.6 85.175,17.6 ; R60.1@82.25,13.3 R60.1@82.25,13.5 82.575,13.825 82.575,15 85.1,17.525 ; R62.1@104.125,7.45 104.325,7.45 118.25,21.375 K3.1@135.1,21.375 135.175,21.375 140.375,26.575 ; 144.15,30.35 140.375,26.575 ; DA6.2@148.45,28.285 DA6.1@148.45,29.555 148.255,29.75 147.05,29.75 146.125,30.675 146.125,30.694 145.469,31.35 145.15,31.35 140.375,26.575 ; R66.1@175.75,7.25 173.325,7.25 171.825,5.75 171.825,3 170.95,2.125 159.9,2.125 154.725,7.3 154.725,11.95 154.348,12.327 154.348,12.402 R64.1@153.25,13.5 153.25,13.7 140.375,26.575
P5V: C10.2 C12.1 C13.1 C15.p C19.1 C55.1 C56.1 DA4.4 DA8.3 DD5.3 DD6.1 K6.1 L3.1 R30.1 R68.2 XP1.1 XP1.5 XP2.1 XP2.5 XS1.2 XS1.4 XS2.1 XS4.1 | length 10.2
  Top Layer w0.5: K6.1@60.05,42.05 63.05,39.05 68.75,39.05 DA8.3@68.9,39.2
P5V_A: C16.2 C17.p C18.2 C40.2 C41.2 DA3.8 DA5.8 DA6.8 DA19.8 DA20.8 DA21.8 DA22.8 DA23.8 DA24.8 DA28.8 K7.1 L3.2 R16.2 R17.2 R23.1
P5V_EXT_1: C28.p C31.2 DA9.8 DA10.8 DA11.8 DA12.8 DA17.4 DD1.14 K16.1 L5.2 R32.1 R42.2 R43.2 R44.2 R45.2 R57.2 XS7.1 | length 19
  Bottom Layer w0.5: R42.2@76.75,87 76.75,89.275 77.545,90.07 DA9.8@79.035,90.07 ; R43.2@88.295,87 88.295,89.19 88.875,89.77 89.175,90.07 DA10.8@90.615,90.07 ; R44.2@100.5,87 100.5,88.875 101.695,90.07 DA11.8@102.885,90.07 ; R45.2@112.575,87 112.575,88.325 114.32,90.07 DA12.8@115.015,90.07
P5V_EXT_2: C29.p C32.2 DA13.8 DA14.8 DA15.8 DA16.8 DA18.4 DD2.14 K17.1 L6.2 R33.1 R46.2 R47.2 R48.2 R49.2 R59.2 XS8.1 | length 17
  Bottom Layer w0.5: R46.2@149.01,87 149.01,87.99 151.09,90.07 DA13.8@151.32,90.07 ; R47.2@160.79,87 160.936,87 161.378,87.442 161.378,88.053 163.14,89.815 DA14.8@163.14,90.07 ; R48.2@172.125,86.975 172.271,86.975 172.271,87.811 174.53,90.07 DA15.8@174.76,90.07 ; R49.2@184.25,87 184.55,87.3 184.55,88.45 186.17,90.07 DA16.8@186.57,90.07
PI_CS1: DD4.25 R6.1
PI_CS2: DD4.43 R7.1
PI_MOWER1_EN: DD3.2 R82.1 XS1.15
PI_MOWER2_EN: DD3.5 R85.1 XS1.16
PI_MOWER3_EN: DD3.10 R81.1 XS1.18
PI_UART_RX: R96.1 XS1.10
PI_UART_TX: R95.1 XS1.8
PWM1: DD1.3 XS7.3
PWM2: DD1.6 XS7.5
PWM3: DD2.3 XS8.3
PWM4: DD2.6 XS8.5
RESET: C30.2 DD4.7 R54.2 SB2.2 XS3.3
RPI_GPIO25: XS1.22 XS2.28
RPI_GPIO26: XS1.37 XS2.29
RPI_PCM_DIN: XS1.38 XS2.26
RPI_PCM_DOUT: XS1.40 XS2.27
RPI_PCM_FS: XS1.35 XS2.25
RPI_PWM0: XS1.32 XS2.23
RPI_PWM1: XS1.33 XS2.24
SPI_MISO: DD4.35 E7.2 XS1.21 XS2.14
SPI_MOSI: DD4.36 E6.2 XS1.19 XS2.15
SPI_SCK: DD4.34 E5.2 XS1.23 XS2.16
ST_MOWER1_EN: DD3.1 DD4.28 R84.1
ST_MOWER2_EN: DD3.4 DD4.18 R80.1
ST_MOWER3_EN: DD3.9 DD4.24 R83.1
SWCLK: DD4.49 XS3.5
SWDIO: DD4.46 XS3.4
TIMER_RESERVED_1: DD4.39 XS2.7
TIMER_RESERVED_2: DD4.40 XS2.8
TIMER_RESERVED_3: DD4.26 XS2.9
TIMER_RESERVED_4: DD4.27 XS2.10
UART1_RX: DD4.52 R95.2
UART1_TX: DD4.51 R96.2
UART2_RX: DD4.54 R14.2
UART2_TX: DD4.53 R13.2
Uref: C25.1 C27.1 DD4.13 L4.2 R52.2 | length 7
  Top Layer w0.254: DD4.13@123.1,42.495 123.1,41.149 125.124,39.125 126.577,39.125 127.175,38.527 C27.1@127.175,38.075
VBAT: C1.1 C6.1 C23.p C24.p DA1.8 DA17.1 DA18.1 DA25.8 DA26.8 DA27.8 L1.2 R12.1 R28.1 R99.2 R101.2 R103.2 VD2.C VD3.C | length 17.1
  Bottom Layer w2: L1.2@2.75,11.5 2.75,9.75 4,8.5 C1.1@10,8.5 11.75,8.5 ; VD3.C@14,7.25 13,7.25 11.875,8.375 12.375,8.875 14,10.5 VD2.C@14,10.75
VBAT_ADC: C20.1 DD4.22 K2.1 R24.2 VD5.3 | length 5.2
  Top Layer w0.5: R24.2@87.25,32.25 VD5.3@89.45,32.25 K2.1@89.45,35.25
VIN+: VD1.1 VD2.A VD3.A X2.3 | length 7
  Bottom Layer w2: VD3.A@18.2,7.25 19.7,8.75 20.2,8.75 ; VD2.A@18.2,10.75 20.2,8.75 ; VD1.1@21.8,8.75 20.2,8.75
VOLTAGE: E1.2 R1.2 R2.1 VD4.1 X2.1 | length 13.5
  Top Layer w0.5: R1.2@42.75,15.4 R1.2@42.75,16.5
  Bottom Layer w0.5: R2.1@32,12.75 32,11.1 34.35,8.75 VD4.1@34.45,8.75 ; X2.1@32.75,5.3 34.175,6.725 34.175,8.475 VD4.1@34.45,8.75 ; E1.2@34.45,11.9 VD4.1@34.45,8.75
Корпус: C2.2 C4.2 C13.2 C14.2 K19.1 X1.3
  other v2: 3.35,3.35
pads on no net: DA2.1 DA2.4 DA2.7 DA3.1 DA3.4 DA3.7 DA4.5 DA9.1 DA9.4 DA9.7 DA10.1 DA10.4 DA10.7 DA11.1 DA11.4 DA11.7 DA12.1 DA12.4 DA12.7 DA13.1 DA13.4 DA13.7 DA14.1 DA14.4 DA14.7 DA15.1 DA15.4 DA15.7 DA16.1 DA16.4 DA16.7 DA17.6 DA18.6 DA25.1 DA25.4 DA25.7 DA26.1 DA26.4 DA26.7 DA27.1 DA27.4 DA27.7 DD3.11 DD3.12 DD3.13 DD5.5 DD5.8 VD5.2 VD8.2 VD9.2 VD10.2 VD11.2 VD12.2 VD13.2 XS1.7 XS1.12 XS1.27 XS1.28 XS1.41 XS1.42 XS1.43 XS1.44 XS1.S1 XS1.S2 XS1.S3 XS1.S4 XS2.31 XS2.32 XS4.2 XS4.3 XS7.S4 XS8.S4
copper on no net:
  other v1: 15,22.45

## Polygon pours and split planes (outlines as drawn)
no net on POWER (split plane): 199.49,0.51 0.51,0.51 0.51,119.49 199.49,119.49
no net on GND (split plane): 199.49,0.51 0.51,0.51 0.51,119.49 199.49,119.49

## Silkscreen, mask and mechanical layers (free items; w line width, h text height)
Board Outline:
  the board outline again, w0.25

## Text inside footprints (layer, text, board x,y; h text height)
DA4: Top Overlay "Ctrl" at 8.65,48.35 h3.5; Top Overlay "0V" at 40.003,49.005 h3.5; Top Overlay "Trim" at 40.009,38.646 h3.5; Top Overlay "+Vo" at 40.009,28.008 h3.5; Top Overlay "Vin" at 9.768,35.836 h3.5; Top Overlay "GND" at 9.797,40.981 h3.5; Top Overlay "URB_LD-20WR3" at 9.69,30.094 h3.5
R2: Top 3D Body "L=8.0 D=3.5 d=0,6 A=13,75 / вариант формовки выводов 140.02.0304.00.00 / по ГОСТ 29137-91" at 33.592,11.861 h0.7
R16: Top 3D Body "L=8.0 D=3.5 d=0,6 A=13,75 / вариант формовки выводов 140.02.0304.00.00 / по ГОСТ 29137-91" at 67.439,17.542 h0.7 r90
R17: Top 3D Body "L=8.0 D=3.5 d=0,6 A=13,75 / вариант формовки выводов 140.02.0304.00.00 / по ГОСТ 29137-91" at 71.939,17.542 h0.7 r90
R25: Top 3D Body "L=8.0 D=3.5 d=0,6 A=13,75 / вариант формовки выводов 140.02.0304.00.00 / по ГОСТ 29137-91" at 120.558,20.864 h0.7 r180
R29: Top 3D Body "L=8.0 D=3.5 d=0,6 A=13,75 / вариант формовки выводов 140.02.0304.00.00 / по ГОСТ 29137-91" at 118.408,30.514 h0.7 r180
R52: Top 3D Body "L=8.0 D=3.5 d=0,6 A=13,75 / вариант формовки выводов 140.02.0304.00.00 / по ГОСТ 29137-91" at 136.139,27.392 h0.7 r90
R105: Top 3D Body "L=8.0 D=3.5 d=0,6 A=13,75 / вариант формовки выводов 140.02.0304.00.00 / по ГОСТ 29137-91" at 135.158,90.139 h0.7 r180
X5: Top Overlay "IN" at 80.575,1.875 h1.2; Top Overlay "OUT" at 65.775,1.775 h1.2
X6: Top Overlay "OUT" at 103.275,1.775 h1.2; Top Overlay "IN" at 118.075,1.875 h1.2
X7: Top Overlay "IN" at 150.575,1.875 h1.2; Top Overlay "OUT" at 135.775,1.775 h1.2
X8: Top Overlay "OUT" at 175.775,1.775 h1.2; Top Overlay "IN" at 190.575,1.875 h1.2